# Allegro board ZDRK-36-DE3-A02-20190729.brd (continued)
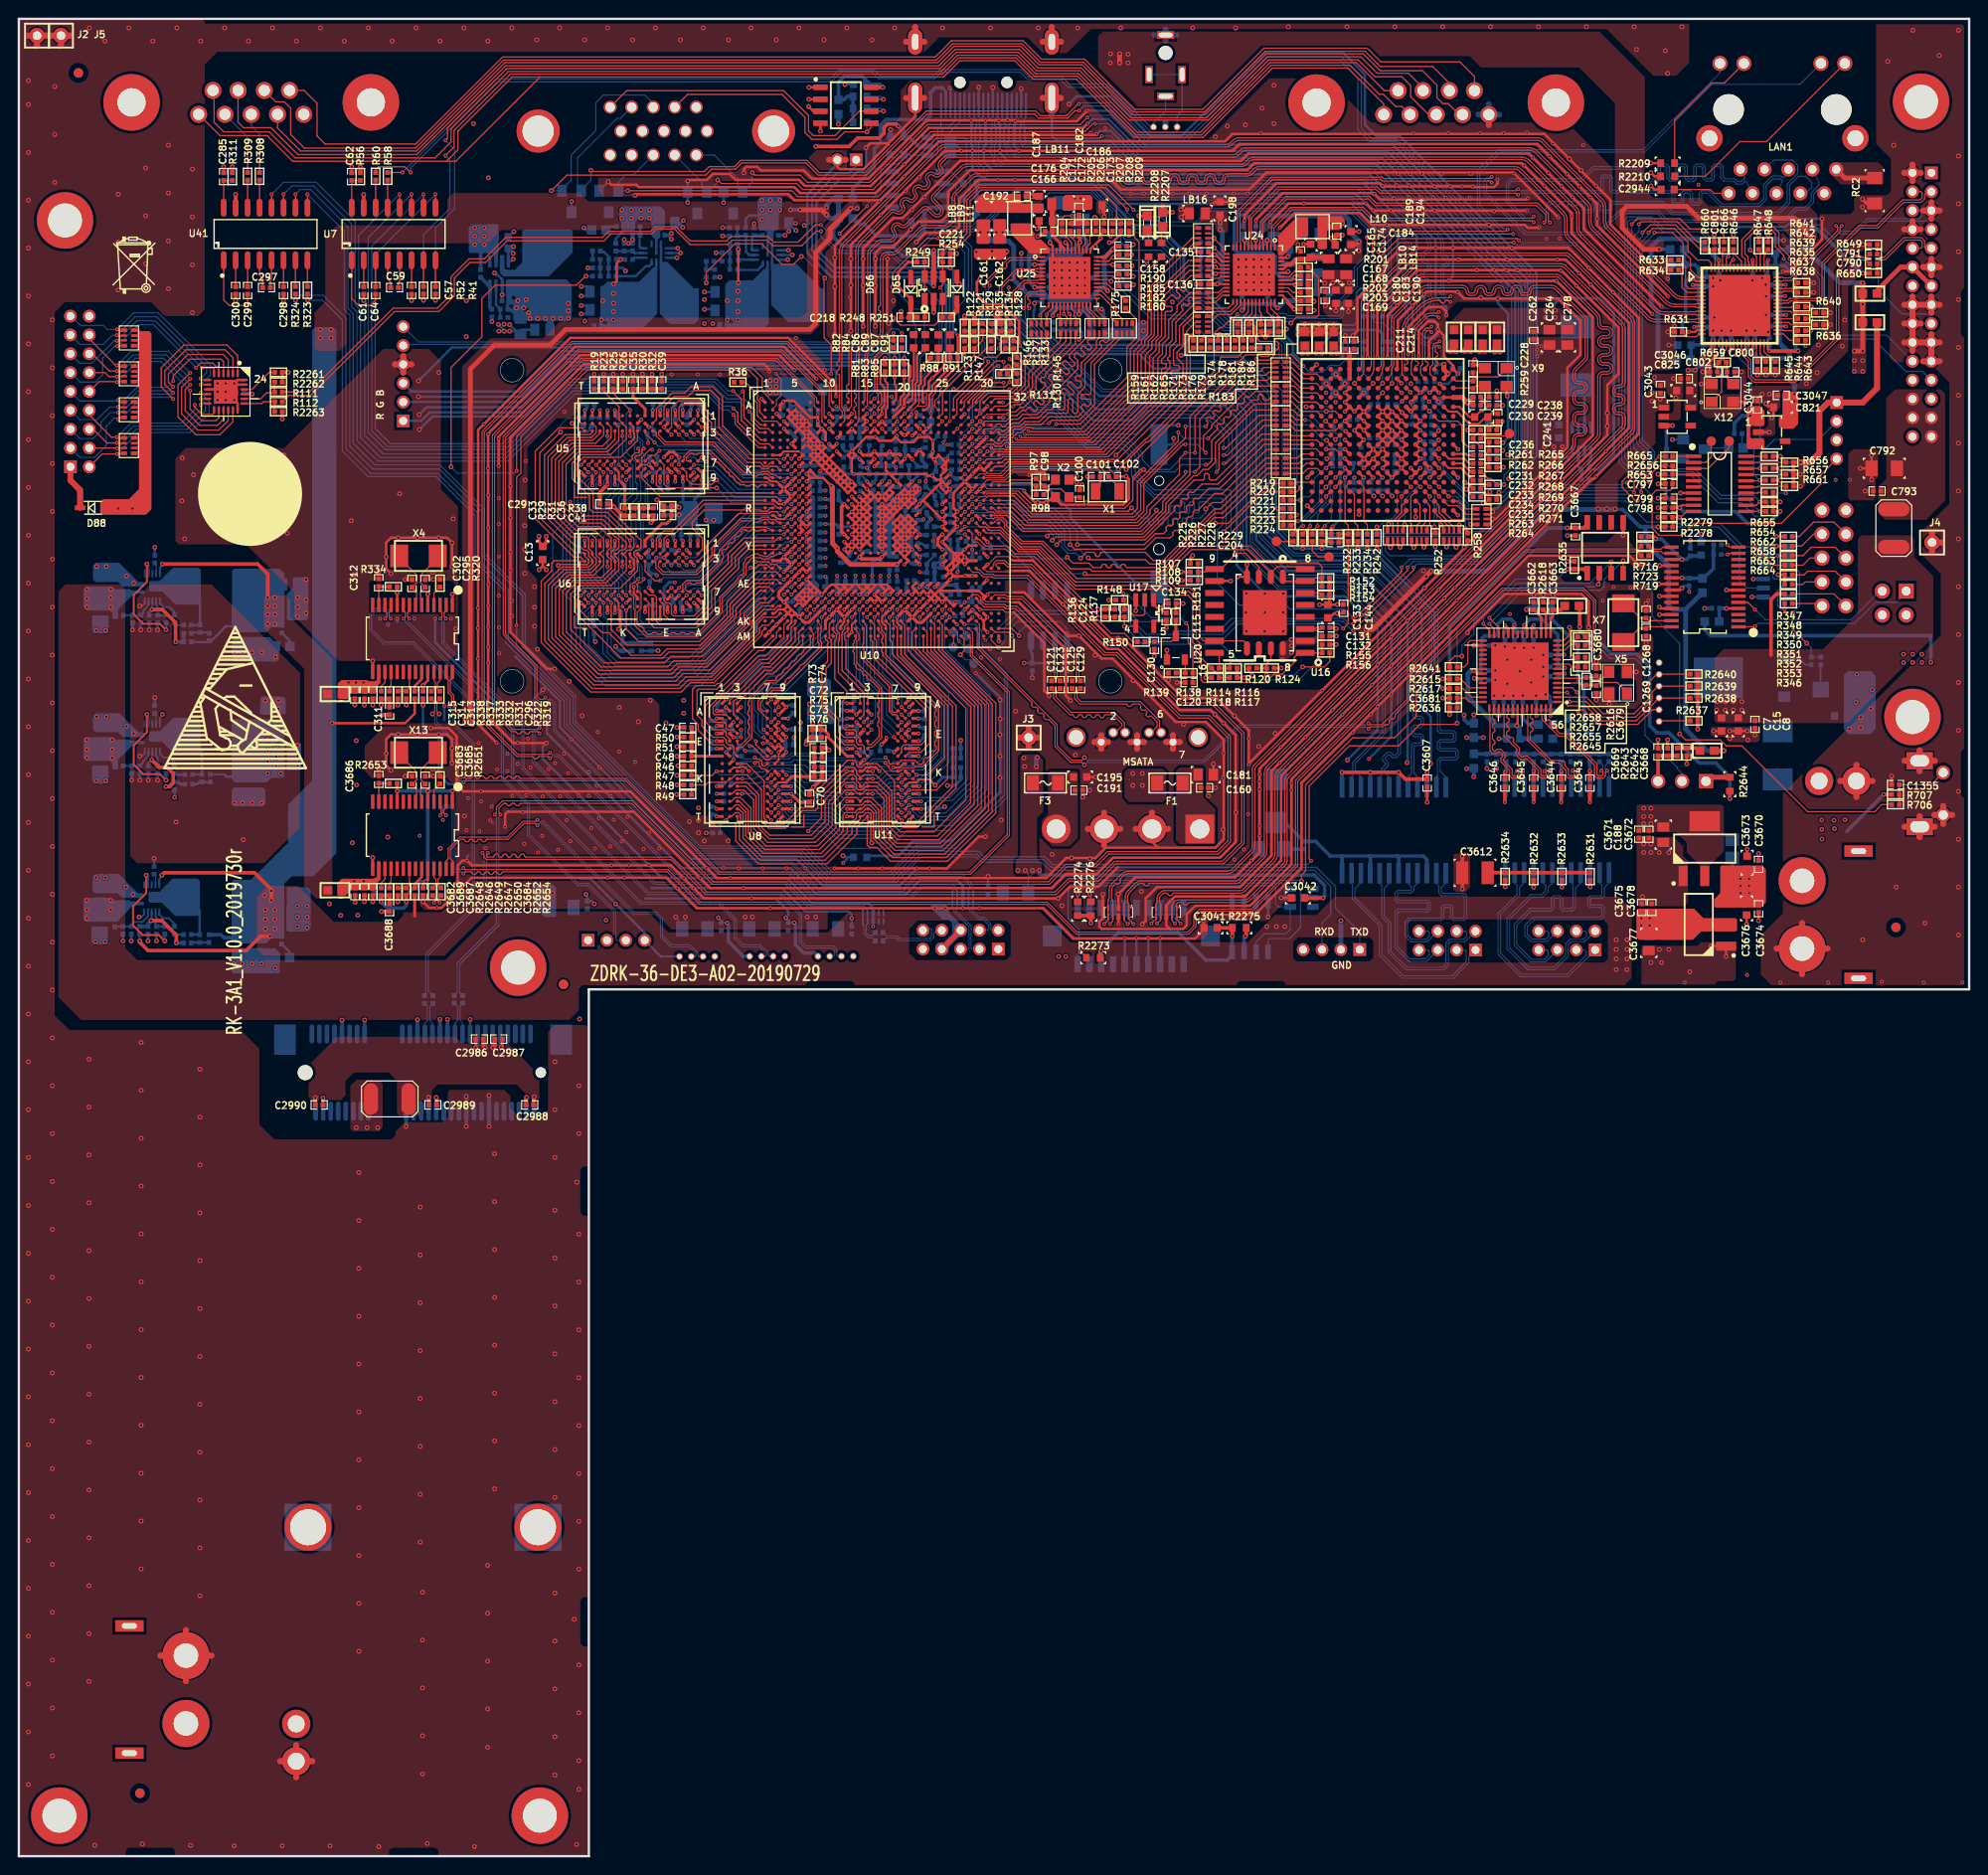
[diagram p0: board, top side]
## Routing (per net, layer and track width the routed paths; a pad name or vN(x,y) marks a point on that pad's centre or on a via; arc(x,y) is an arc through that point) (continued)
  BOTTOM w0.127: v1(141.63,130.78) 141.22,130.78 140.67,131.34 128.7,131.34 127.38,130.02 123.19,130.02 122.2,131.01 118.87,131.01 117.91,131.98 117.04,131.98 v2(115.7,133.32) ; U45.3 v1(184.28,138.97) 183.05,138.97 180.59,141.43 176.04,141.43 174.88,142.6 172.36,142.6 170.81,144.14 161.75,144.14 155.01,137.4 148.02,137.4 v1(147.4,136.78)
LED_SATA: length 8.3
  TOP w0.127: R346.2 v1(187.43,132.31)
  BOTTOM w0.127: 187.52,135.55 186.31,135.55 186.18,135.67 186.18,136.25 U45.1 ; 187.52,135.55 U46.4 ; 187.52,135.55 187.52,135.14 186.69,134.32 186.69,132.69 187.07,132.31 v1(187.43,132.31)
LSADC_IN: length 0.7
  TOP w0.305: U10.AJ28 v1(101.2,132.28)
  BOTTOM w0.102: v1(101.2,132.28) 101.27,132.21 TP8.1
LT9721_IRQO: length 18.3
  TOP w0.114: U66.23 182.04,160.08 182.25,159.87 v1(182.25,159.36)
  TOP w0.127: R662.2 v1(184.78,146.02) 184.73,145.97 U1492.16
  BOTTOM w0.127: v1(184.78,146.02) 184.15,146.66 184.15,149.2 184.81,149.86 184.81,154.13 183.9,155.04 183.9,157.71 v1(182.25,159.36)
LT9721_RST_N: length 59.8
  TOP w0.127: v1(187.55,144.65) R661.2 184.66,145.39 184.59,145.32 U1492.15 ; U66.63 180.04,170.43 C801.1 R660.2 178.46,170.51 175.84,173.13 173.15,173.13 v1(172.34,172.31)
  BOTTOM w0.127: v1(187.55,144.65) 186.72,144.65 185.67,143.61 185.67,142.47 185.42,142.21 184.28,142.21 182.85,143.64 180.39,143.64 177.47,146.56 175.03,146.56 174.32,147.27 173.63,147.27 173.1,147.8 173.1,148.59 171.7,149.99 171.7,171.3 172.34,171.93 v1(172.34,172.31)
LT9721_RXHPD: length 2
  TOP w0.127: R666.2 180.84,170.37 U66.61
LT9721_S_SCL: length 48.6
  TOP w0.127: v1(173.61,172.31) 175.51,172.31 176.66,171.17 176.66,170.28 177.42,169.52 177.42,168.38 178.23,167.57 U66.1 ; R663.2 v1(184.78,143.74) 184.41,143.37 U1492.12
  BOTTOM w0.127: v1(184.78,143.74) 184.1,144.42 180.7,144.42 177.88,147.24 175.41,147.24 174.68,147.98 173.94,147.98 173.61,148.31 173.61,149.05 172.31,150.34 172.31,170.89 173.61,172.19 v1(173.61,172.31)
LT9721_S_SDA: length 50.4
  TOP w0.127: U66.64 179.64,169.08 179.32,169.39 178.18,169.39 177.17,170.41 177.17,171.3 175.72,172.75 173.41,172.75 v1(172.97,172.31) ; R664.2 185.39,142.72 v1(184.78,142.72) U1492.11
  BOTTOM w0.127: v1(184.78,142.72) 183.43,144.07 180.54,144.07 177.67,146.94 175.16,146.94 174.5,147.6 173.69,147.6 173.35,147.93 173.35,148.82 172.03,150.14 172.03,171.12 172.97,172.06 v1(172.97,172.31)
LT9721_TXHPD: length 29.2
  TOP w0.127: U66.52 184.44,169.79 v2(183.77,170.46)
  BOTTOM w0.127: v2(183.77,170.46) 183.77,172.03 184.28,172.54 187.81,172.54 188.39,173.13 191.21,173.13 194.56,169.77 195.71,169.77 197.36,168.12 197.36,166.22 199.9,163.68 202.44,163.68 203,163.12 JE1.17
LT9721_VCC18_RX: length 15.3
  TOP w0.203: U66.17 179.64,159.67 v1(179.58,159.61) ; U66.3 v1(177.67,166.77) ; U66.14 177.89,162.37 v1(177.8,162.28)
  BOTTOM w0.305: C811.1 v1(177.8,162.28) ; C815.1 177.84,166.6 v1(177.67,166.77)
  BOTTOM w0.381: v1(179.58,159.61) 179.83,159.87 C814.1 179.78,160.4 C3045.1 ; C3045.1 177.51,160.4 C813.1 177.48,158.92 LB130.2 ; C3045.1 178.82,161.14 178.41,161.54 C811.1 C812.1 178.41,164.64 178.28,164.77 C815.1
LT9721_VCC18_TX: length 26.4
  TOP w0.203: U66.28 184.04,159.88 v1(183.83,159.68) ; v1(187.46,165.57) 187.45,165.57 U66.43 ; U66.46 v1(187.54,166.77) ; U66.38 v1(187.58,163.57) ; v1(187.58,162.37) U66.35
  BOTTOM w0.305: C820.1 187.44,165.56 v1(187.46,165.57) ; C819.1 187.53,166.78 v1(187.54,166.77) ; C817.1 183.39,160.12 v1(183.83,159.68) 184.28,160.12 C818.1
  BOTTOM w0.381: C816.1 187.56,162.38 v1(187.58,162.37) ; C822.1 187.57,163.58 v1(187.58,163.57)
  BOTTOM w0.508: v2(188.47,154.41) v2(188.47,155.17) 188.47,156.18 187.96,156.69 187.96,158.98 ; v1(183.83,159.68) 184.53,158.98 187.96,158.98 ; 187.96,158.98 187.96,159.49 186.89,160.55 C816.1 C822.1 C820.1 C819.1
LT9721_VCC33_RX: length 14.4
  TOP w0.203: U66.15 178.12,161.97 177.93,161.77 v1(177.29,161.77) ; U66.2 177.99,167.17 177.8,167.36 v1(177.67,167.36)
  BOTTOM w0.305: C804.1 177.93,167.61 v1(177.67,167.36)
  BOTTOM w0.381: C804.1 C806.1 177.9,168.88 C805.1 176.78,168.95 LB128.2 ; v1(177.67,167.36) 177.17,167.36 176.91,167.11 176.91,163.17 176.56,162.81 C803.1 v1(177.29,161.77)
LT9721_VCC33_TX: length 32.8
  TOP w0.203: v1(185.67,169.39) 185.64,169.35 U66.49 ; v1(185.8,159.74) 185.64,159.91 U66.32
  TOP w0.381: R650.2 v2(195.73,168) ; v2(188.85,159.74) v1(185.8,159.74)
  BOTTOM w0.305: C808.1 185.55,169.27 v1(185.67,169.39) ; C807.1 v1(185.8,159.74)
  BOTTOM w0.381: C810.1 C808.1 ; C810.1 C809.1 186.88,170.54 LB127.2 188.09,172.06 188.72,172.69 190.88,172.69 195.58,168 v2(195.73,168) ; C810.1 187.43,168.78 188.59,167.61 188.59,159.99 v2(188.85,159.74)
LT9721_VDD18: length 36.5
  TOP w0.203: U66.62 v1(180.44,169.36) ; U66.53 184.04,169.38 v1(184.02,169.39) ; v1(181.62,159.73) 181.64,159.74 U66.22
  BOTTOM w0.305: C824.1 C826.1 181.74,159.84 v1(181.62,159.73)
  BOTTOM w0.381: v1(180.44,169.36) 180.47,169.33 C827.1 C823.1 v1(184.02,169.39) ; C824.1 180.72,158.85 180.09,158.22 178.44,158.22 v2(177.93,157.71) 177.29,157.71
  BOTTOM w0.508: LB130.1 174.75,158.85 173.99,159.61 173.99,163.93 173.25,164.67 173.25,170.76 174.14,171.65 178.14,171.65 v1(180.44,169.36)
  vias: v2(177.17,157.71)
MCU_NRST: length 34.5
  TOP w0.127: U1492.4 177.72,146.66 R653.2 ; R653.2 R2656.2 ; R653.2 C797.1 175.54,145.21 175.29,144.96 173.79,144.96 173.35,144.53 173.35,140.94 174.12,140.18 176.53,140.18 177.8,141.45 187.07,141.45 191.26,145.64 191.26,146.6 J116.4
MCU_RXHPD: length 2.2
  TOP w0.127: U1492.1 175.54,148.57 R665.2
MDCK: length 24.2
  TOP w0.127: U25.30 115.77,167.31 v2(115.94,167.14) ; U24.30 130.89,163.73 130.02,162.86 130.02,161.42 v1(129.97,161.37) R176.1
  BOTTOM w0.114: v2(115.94,167.14) 115.94,167.37 116.36,167.79 116.87,167.79 117.2,167.46 117.2,166.73 120.37,163.55 123.77,163.55 126.7,160.63 129.24,160.63 v1(129.97,161.37)
MDIO: length 71.1
  TOP w0.127: R180.2 116.79,167.08 v2(116.61,167.26) 116.54,167.26 116.08,167.71 U25.31 ; v2(117.54,147.17) 128.97,158.6 129.49,158.6 130.23,159.33 131.67,159.33 131.85,159.16 132.61,159.16 133.32,159.87 v1(133.32,159.89) 133.58,159.89 133.7,160.02 133.7,160.58 133.53,160.76 131.7,160.76 131.44,161.01 131.44,161.26 131.19,161.52 131.19,162.41 131.01,162.59 R178.2 130.58,162.81 131.29,163.52 U24.31 ; v1(100.41,147.49) U10.K27
  BOTTOM w0.114: v2(116.61,167.26) 116.61,166.7 120.17,163.14 123.62,163.14 126.67,160.1 133.12,160.1 v1(133.32,159.89)
  BOTTOM w0.127: v1(100.41,147.49) 100.46,147.49 100.86,147.09 102.54,147.09 102.87,147.42 116.2,147.42 116.59,147.8 116.9,147.8 v2(117.54,147.17)
MSATA_RXDN: length 3.5
  BOTTOM w0.114: U13.31 46.3,88.43 46.57,88.69 46.57,90.19 C106.1
MSATA_RXDP: length 3.5
  BOTTOM w0.114: C105.1 46.83,90.24 46.83,88.69 47.1,88.43 U13.33
MSATA_TXDN: length 3.5
  BOTTOM w0.114: C103.1 43.63,90.19 43.63,88.69 43.9,88.43 U13.25
MSATA_TXDP: length 3.5
  BOTTOM w0.114: C104.1 43.37,90.19 43.37,88.69 43.1,88.43 U13.23
MX1+: length 22.8
  BOTTOM w0.114: J131.1 153.9,95.45 153.9,94.82 152.26,93.18 146.83,93.18 144.4,95.61 144.4,98.76 141.54,101.62 141.54,103.15 141.45,103.24 T3.23
MX1-: length 22.7
  BOTTOM w0.114: J131.3 153.48,96.17 153.63,96.01 153.63,94.93 152.15,93.45 146.94,93.45 144.67,95.72 144.67,98.87 141.81,101.73 141.81,102.67 142.45,103.31 T3.22
MX2+: length 21.9
  BOTTOM w0.114: T3.20 144.45,103.24 144.67,103.03 144.67,99.64 145.36,98.94 145.36,95.92 147.21,94.07 151.24,94.07 151.75,94.57 151.75,96.86 151.93,97.05 153.49,97.05 J131.2
MX2-: length 21.8
  BOTTOM w0.114: J131.4 153.55,98.17 153.67,98.04 153.67,97.6 153.38,97.31 151.82,97.31 151.48,96.97 151.48,94.68 151.13,94.34 147.32,94.34 145.63,96.03 145.63,99.05 144.93,99.75 144.93,102.73 145.45,103.24 T3.19
MX3+: length 21.7
  BOTTOM w0.114: J131.5 149.42,94.97 147.52,94.97 146.08,96.41 146.08,100.23 146.35,100.5 149.43,100.5 149.54,100.62 149.54,101.07 149.43,101.19 146.35,101.19 146.08,101.46 146.08,102.22 146.35,102.49 147.68,102.49 147.79,102.6 147.79,102.91 147.45,103.25 T3.17
MX3-: length 21.6
  BOTTOM w0.114: T3.16 148.45,103.26 148.06,102.87 148.06,102.49 147.79,102.22 146.46,102.22 146.34,102.11 146.34,101.57 146.46,101.45 149.54,101.45 149.81,101.18 149.81,100.51 149.54,100.23 146.46,100.23 146.34,100.12 146.34,96.52 147.63,95.24 149.31,95.24 149.71,95.64 149.71,96.05 149.59,96.17 J131.7
MX4+: length 21.7
  BOTTOM w0.114: J131.6 149.49,97.04 147.72,97.04 147.15,97.61 147.15,99.2 147.53,99.57 150.88,99.57 151,99.68 151,100.69 151.27,100.97 151.94,100.97 152.22,100.69 152.22,99.68 152.33,99.57 153.29,99.57 153.4,99.68 153.4,101.8 153.29,101.92 151.01,101.92 150.74,102.19 150.74,102.96 150.45,103.24 T3.14
MX4-: length 21.7
  BOTTOM w0.114: T3.13 151.45,103.24 151,102.8 151,102.3 151.12,102.18 153.4,102.18 153.67,101.91 153.67,99.57 153.4,99.3 152.22,99.3 151.95,99.57 151.95,100.58 151.83,100.7 151.38,100.7 151.26,100.58 151.26,99.57 150.99,99.3 147.64,99.3 147.42,99.09 147.42,97.72 147.83,97.31 149.38,97.31 149.69,97.62 149.69,98.05 149.58,98.17 J131.8
NRESET/PME_CLEAR: length 3.9
  TOP w0.127: R2636.1 C3681.2 153.54,122.91 153.95,122.51 U1.42
NTRST: length 3.3
  TOP w0.127: J6.1 174.17,120.5 R2637.1
PCIE_REFCLK_SEL: length 12.9
  TOP w0.127: U10.D24 v1(98.01,152.29) ; R122.1 R121.2 100.86,161.29 100.86,160.48 R123.1 v1(100.38,159.26)
  BOTTOM w0.127: v1(98.01,152.29) 97.99,152.29 97.66,152.62 97.66,155.07 100.38,157.78 v1(100.38,159.26)
POR_BYPASS: length 2.2
  TOP w0.127: U10.W28 v1(100.41,140.29)
  BOTTOM w0.127: R382.2 100.53,140.17 v1(100.41,140.29) 99.87,140.29 R383.1
POR_IP_SEL: length 6.4
  TOP w0.127: U10.U27 v1(100.41,141.89)
  BOTTOM w0.102: R113.2 102.01,138.46 R110.2 102.34,139.37 101.02,140.69 100.28,140.69 100.03,140.94 100.03,141.5 v1(100.41,141.89)
PWM_SVB0_CPU: length 75.6
  TOP w0.102: U10.A2 80.01,154.35 79.5,154.86 79.5,154.89 79.43,154.97
  TOP w0.127: v2(60.2,167.68) 60.14,167.68 59.18,166.73 50.55,166.73 49.15,165.33 49.15,161.26 45.87,157.99 v2(45.87,147.45) ; v1(52.83,147.02) 52.83,150.67 60.17,158.01 77.8,158.01 78.92,156.9 78.92,155.47 79.43,154.97
  BOTTOM w0.127: v2(45.87,147.45) 46.53,146.79 52.6,146.79 v1(52.83,147.02) ; R55.2 v2(60.2,167.68)
PWM_SVB1_CORE: length 38.6
  TOP w0.102: U10.B2 80.01,153.6 80.42,154 80.42,154.53 80.85,154.97
  TOP w0.127: 80.85,154.97 80.9,155.02 80.9,156.77 v1(80.34,157.33) ; v2(83.06,169.77) 82.22,168.94 81.03,168.94 78.84,171.12 76,171.12 72.96,168.08 v2(72.96,166.98) ; v2(85.55,167.49) 85.47,167.41 85.47,161.14 86.23,160.38 v1(86.23,157.33)
  BOTTOM w0.114: R78.2 v2(72.96,166.98)
  BOTTOM w0.127: v1(86.23,157.33) 86.21,157.3 80.37,157.3 v1(80.34,157.33) ; v2(85.55,167.49) 83.26,169.77 v2(83.06,169.77)
RECOVERY: length 7.3
  TOP w0.127: R706.1 R707.2 C1355.1 202.96,113.72 SW1.2
RESET_7842_1: length 7.7
  TOP w0.127: U32.N5 141.25,145.78 140.77,145.29 140.77,141.58 141.1,141.25 R232.2 141.07,140.31 R229.2 C204.1
RGMII0_COL: length 0.6
  TOP w0.127: U10.H29 v1(102.01,149.09)
RGMII0_RXCK: length 38.8
  TOP w0.127: U10.G30 102.76,149.83 103.45,149.83 103.66,149.63 104.32,149.63 104.67,149.99 104.98,149.99 105.18,149.78 114.25,149.78 120.4,155.93 120.4,158.98 121.03,159.61 121.03,160.66 121.67,161.29 121.67,163.83 121.79,163.96 122.3,163.96 122.43,164.09 122.43,164.34 122.3,164.47 121.79,164.47 121.67,164.59 121.67,165.02 122.32,165.68 122.5,165.68 122.87,165.32 123.05,165.32 123.23,165.49 123.23,165.67 122.86,166.04 122.86,166.22 123.04,166.4 123.22,166.4 123.53,166.1 123.71,166.1 123.88,166.28 123.88,166.46 123.58,166.76 123.58,166.94 124.37,167.72 RN22.4
RGMII0_RXD0: length 39.6
  TOP w0.127: RN21.4 124.7,171.15 120.19,166.65 120.19,161.5 119.51,160.82 119.51,160.35 118.75,159.59 118.75,156.31 113.31,150.88 106.81,150.88 v3(106.78,150.9) ; U10.G27 v1(100.41,149.89)
  BOTTOM w0.102: 101.78,150.26 100.78,150.26 v1(100.41,149.89)
  BOTTOM w0.127: 101.78,150.26 101.83,150.21 103.37,150.21 104.27,151.1 106.58,151.1 106.78,150.91 v3(106.78,150.9)
RGMII0_RXD1: length 37.6
  TOP w0.127: U10.G28 v1(101.21,149.89) ; RN22.1 124.18,169.37 120.52,165.71 120.52,161.44 119.89,160.8 119.89,160.2 119.13,159.44 119.13,156.18 113.49,150.55 106.43,150.55 v3(106.3,150.67)
  BOTTOM w0.127: v1(101.21,149.89) 101.28,149.96 103.63,149.96 104.5,150.83 106.15,150.83 v3(106.3,150.67)
RGMII0_RXD2: length 38.5
  TOP w0.127: v3(105.87,150.42) 105.87,150.41 105.99,150.29 113.74,150.29 119.57,156.12 119.57,159.3 120.27,159.99 120.27,160.76 120.9,161.39 120.9,165.58 124.12,168.8 RN22.2 ; U10.H27 v1(100.41,149.09)
  BOTTOM w0.127: v1(100.41,149.09) 100.85,149.53 101.55,149.53 101.6,149.58 103.76,149.58 104.7,150.52 105.77,150.52 v3(105.87,150.42)
RGMII0_RXD3: length 38
  TOP w0.127: v3(105.36,150.16) 105.49,150.04 114,150.04 120.02,156.06 120.02,159.18 120.7,159.87 120.7,160.79 121.28,161.38 121.28,165.33 124.25,168.3 RN22.3 ; U10.H28 v1(101.21,149.09)
  BOTTOM w0.127: v1(101.21,149.09) 101.69,148.62 102.51,148.62 102.62,148.51 103.63,148.51 104.11,149 104.11,149.43 104.85,150.16 v3(105.36,150.16)
RGMII0_RXDV: length 37.9
  TOP w0.127: RN21.3 124.53,171.73 119.82,167.02 119.82,161.59 119.15,160.92 119.15,160.5 118.36,159.72 118.36,156.44 113.11,151.18 107.21,151.18 v3(107.16,151.23) ; v1(101.98,150.57) 101.89,150.57 U10.F29
  BOTTOM w0.127: v3(107.16,151.23) 107.04,151.36 104.01,151.36 103.63,150.98 102.61,150.98 102.2,150.57 v1(101.98,150.57)
RGMII0_RXER: length 1.1
  TOP w0.127: U10.H30 v1(102.81,149.09)
  BOTTOM w0.102: v1(102.81,149.09) 102.82,149.1 TP5.1
RGMII0_TXCKOUT: length 35.3
  TOP w0.127: v1(101.98,148.23) 101.96,148.23 U10.J29 ; RN13.1 124.31,165.94 122.94,164.57 122.94,163.93 122.05,163.04 122.05,161.14 121.39,160.48 121.39,159.46 120.9,158.98 120.9,155.8 114.63,149.53 104.93,149.53 v3(104.83,149.63)
  BOTTOM w0.127: v1(101.98,148.23) 103.81,148.23 104.83,149.25 v3(104.83,149.63)
RGMII0_TXD0: length 34.2
  TOP w0.127: U10.G31 103.37,149.34 104.53,149.34 104.6,149.28 114.88,149.28 121.28,155.68 121.28,157.78 121.41,157.91 121.67,157.91 121.79,158.03 121.79,158.29 121.67,158.41 121.41,158.41 121.28,158.54 121.28,158.85 121.79,159.36 121.79,160.25 122.43,160.88 122.43,162.92 123.54,164.03 123.54,164.21 123.41,164.35 123.41,164.53 123.59,164.71 123.76,164.71 123.9,164.57 124.08,164.57 124.26,164.75 124.26,164.93 124.12,165.07 124.12,165.25 124.3,165.43 124.48,165.43 124.62,165.29 124.8,165.29 124.88,165.37 RN13.2
RGMII0_TXD1: length 34
  TOP w0.127: RN13.3 124.89,164.87 122.81,162.79 122.81,160.76 122.17,160.12 122.17,159.23 121.95,159.01 121.95,158.83 122.17,158.6 122.17,157.96 121.67,157.45 121.67,156.95 121.79,156.82 122.43,156.82 122.56,156.7 122.56,156.44 122.43,156.32 121.79,156.32 121.67,156.19 121.67,155.55 115.14,149.02 104.47,149.02 104.42,149.07 103.58,149.07 103.21,148.7 U10.H31
RGMII0_TXD2: length 33.3
  TOP w0.127: RN13.4 125.08,164.29 123.19,162.41 123.19,160.5 122.56,159.87 122.56,158.34 122.68,158.22 123.06,158.22 123.19,158.09 123.19,157.79 123.06,157.66 122.43,157.66 122.3,157.53 122.3,157.28 122.43,157.15 123.06,157.15 123.19,157.03 123.19,156.57 115.39,148.77 104.09,148.77 U10.H32
RGMII0_TXD3: length 33.1
  TOP w0.127: RN14.1 124.72,163.43 123.57,162.28 123.57,160.25 122.92,159.6 122.92,158.99 123.57,158.34 123.57,156.44 115.65,148.51 104.44,148.51 104.22,148.29 102.79,148.29 102.41,147.9 U10.J30
RGMII0_TXEN: length 34.2
  TOP w0.127: U10.K28 v1(101.21,147.49) ; v2(116.46,148.69) 123.95,156.18 123.95,161.86 124.94,162.85 RN14.2
  BOTTOM w0.127: v1(101.21,147.49) 101.58,147.86 115.62,147.86 v2(116.46,148.69)
RGMII1_COL: length 0.6
  TOP w0.127: U10.D29 v1(102.01,152.29)
RGMII1_CRS: length 0.4
  TOP w0.102: U10.C32 v3(104.46,152.69)
RGMII1_RXCK: length 13.8
  TOP w0.127: RN20.4 112.21,161.33 112.14,161.26 112.14,160.5 108.97,157.33 108.97,157.07 108.84,156.94 108.59,156.94 108.46,156.81 108.46,156.56 108.59,156.43 108.84,156.43 108.97,156.31 108.97,156.06 106.65,153.75 106.27,153.75 105.79,153.26 105.28,153.26 105.05,153.49 U10.B32
RGMII1_RXD0: length 12.5
  TOP w0.127: U10.A30 103.06,154.94 105.56,154.94 106.81,156.18 106.81,158.47 108.44,160.11 108.62,160.11 108.89,159.84 109.07,159.84 109.25,160.02 109.25,160.2 108.98,160.47 108.98,160.65 109.1,160.77 RN79.4
RGMII1_RXD1: length 13.2
  TOP w0.127: RN20.1 110.56,160.83 108.97,159.23 108.79,159.23 108.59,159.44 108.41,159.44 108.23,159.26 108.23,159.08 108.43,158.88 108.43,158.7 108.25,158.52 108.07,158.52 107.87,158.72 107.69,158.72 107.51,158.54 107.51,158.36 107.71,158.16 107.71,157.98 107.19,157.45 107.19,156.06 105.82,154.69 103.61,154.69 U10.A31
RGMII1_RXD2: length 12.6
  TOP w0.127: U10.B31 103.62,153.9 104.78,153.9 105.21,154.33 106.1,154.33 107.57,155.8 107.57,157.2 111.14,160.77 RN20.2
RGMII1_RXD3: length 14.5
  TOP w0.102: U10.C30 102.76,153.03 v3(104.98,153.03)
  TOP w0.127: v3(105.51,153.85) 105.71,154.05 106.32,154.05 107.95,155.68 107.95,156.95 111.64,160.63 RN20.3
  BOTTOM w0.127: v3(104.98,153.03) 104.98,153.52 105.31,153.85 v3(105.51,153.85)
RGMII1_RXDV: length 12.6
  TOP w0.127: U10.B29 101.89,153.49 102.01,153.61 102.01,154.41 102.88,155.28 105.44,155.28 106.43,156.27 106.43,158.6 108.53,160.7 RN79.3
RGMII1_RXER: length 0.8
  TOP w0.127: U10.C29 v1(102.01,153.09)
  BOTTOM w0.102: v1(102.01,153.09) 102.11,153.19 TP2.1
RGMII1_TXCKOUT: length 25.5
  TOP w0.127: U10.D30 102.41,152.17 102.54,152.3 104.77,152.3 105.36,152.88 105.92,152.88 106.45,153.42 106.83,153.42 107.17,153.75 107.35,153.75 107.74,153.36 107.92,153.36 108.1,153.54 108.1,153.72 107.71,154.11 107.71,154.29 107.89,154.47 108.07,154.47 108.46,154.08 108.64,154.08 108.82,154.26 108.82,154.44 108.43,154.83 108.43,155.01 109.7,156.29 109.7,156.47 109.31,156.86 109.31,157.04 109.52,157.25 109.7,157.25 110.41,156.54 110.59,156.54 110.77,156.72 110.77,156.9 110.06,157.61 110.06,157.79 110.24,157.97 110.42,157.97 111.13,157.26 111.31,157.26 111.49,157.44 111.49,157.62 110.78,158.33 110.78,158.5 110.96,158.68 111.14,158.68 111.72,158.1 111.9,158.1 112.08,158.28 112.08,158.46 111.5,159.04 111.5,159.34 113.61,161.45 RN17.1
RGMII1_TXD0: length 24.6
  TOP w0.127: U10.E30 102.41,151.33 102.54,151.46 103.35,151.46 103.89,151.99 104.14,151.99 104.39,151.74 104.65,151.74 105.41,152.5 106.05,152.5 106.55,153.01 108.08,153.01 109.42,154.35 109.42,154.53 109.03,154.92 109.03,155.1 109.21,155.28 109.39,155.28 110.25,154.42 110.43,154.42 110.61,154.6 110.61,154.78 109.75,155.64 109.75,155.82 109.93,156 110.11,156 110.24,155.87 110.42,155.87 112.4,157.84 112.4,158.72 112.04,159.08 112.04,159.39 112.2,159.54 112.38,159.54 112.77,159.15 112.95,159.15 113.13,159.33 113.13,159.51 112.74,159.9 112.74,160.08 112.92,160.26 113.1,160.26 113.49,159.87 113.67,159.87 113.85,160.05 113.85,160.23 113.46,160.62 113.46,160.8 113.66,161.01 114.05,161.01 114.19,161.15 RN17.2
RGMII1_TXD1: length 24.1
  TOP w0.127: RN17.3 114.68,161.14 114.36,160.82 114.36,160.06 112.78,158.47 112.78,157.22 112.65,157.1 112.27,157.1 112.14,156.97 112.14,156.71 112.27,156.59 112.65,156.59 112.78,156.46 112.78,156.06 112.53,155.82 112.35,155.82 111.71,156.46 111.53,156.46 111.35,156.28 111.35,156.1 111.99,155.46 111.99,155.28 111.81,155.1 111.64,155.1 110.99,155.74 110.81,155.74 110.63,155.56 110.63,155.38 111,155.01 111,153.64 110.87,153.52 110.42,153.52 110.29,153.64 110.29,153.9 110.16,154.03 109.91,154.03 109.78,153.9 109.78,153.64 109.66,153.52 109.09,153.52 108.2,152.63 106.68,152.63 106.17,152.12 105.51,152.12 104.62,151.23 104.37,151.23 104.14,151.46 103.86,151.46 103.44,151.04 103.26,151.04 U10.E31
RGMII1_TXD2: length 23.5
  TOP w0.127: RN17.4 115.79,161.63 115.92,161.51 115.92,161.1 115.46,160.65 115.28,160.65 115.08,160.85 114.9,160.85 114.72,160.67 114.72,160.49 114.93,160.29 114.93,160.11 113.16,158.34 113.16,155.93 112.4,155.17 112.4,153.26 112.27,153.14 111.99,153.14 111.87,153.26 111.87,154.53 111.74,154.66 111.49,154.66 111.36,154.53 111.36,153.26 111.23,153.14 109.22,153.14 108.33,152.25 106.78,152.25 106.32,151.79 105.59,151.79 104.65,150.85 104.13,150.85 104.01,150.96 U10.E32
RGMII1_TXD3: length 22.8
  TOP w0.127: RN18.1 116.53,161.21 113.79,158.47 113.79,155.28 113.66,155.15 112.9,155.15 112.78,155.02 112.78,154.77 112.9,154.64 113.66,154.64 113.79,154.51 113.79,154.15 113.51,153.87 113.33,153.87 113.13,154.07 112.95,154.07 112.77,153.89 112.77,153.71 112.97,153.51 112.97,153.33 112.4,152.76 109.35,152.76 108.51,151.92 106.86,151.92 106.43,151.49 105.66,151.49 105.54,151.36 105.54,151.03 105.36,150.85 105.03,150.85 104.78,150.6 104.14,150.6 104.01,150.47 U10.F32
RGMII1_TXEN: length 23.6
  TOP w0.127: v1(109.35,152.1) 109.64,152.39 112.53,152.39 114.17,154.03 114.17,158.34 117.11,161.28 RN18.2 ; U10.E28 v1(101.21,151.49)
  BOTTOM w0.127: v1(101.21,151.49) 101.47,151.49 101.75,151.21 102.16,151.21 102.44,151.49 103.12,151.49 103.63,151.99 109.22,151.99 109.32,152.1 v1(109.35,152.1)
RS232_RXA: length 92.7
  TOP w0.127: R58.2 v1(40.72,178.69)
  BOTTOM w0.127: v1(40.72,178.69) 50.65,188.62 86.08,188.62 87.07,189.61 90.75,189.61 91.41,188.95 97.08,188.95 97.71,189.59 106.43,189.59 107.19,188.82 110.74,188.82 111.5,188.07 115.56,188.07 120.12,183.51 J123.3 120.44,183.94 121.72,185.22 J111.2
RS232_RXB: length 137.3
  TOP w0.127: J22.3 149.63,184.84 147.73,186.74 147.73,187.91 146.79,188.85 143.94,188.85 142.14,190.65 132.68,190.65 126.28,184.25 117.84,184.25 112.61,189.48 108.04,189.48 106.08,191.44 99.5,191.44 97.78,189.71 51.79,189.71 45.49,183.41 45.49,182.3 v1(45.29,182.09) ; R41.2 v2(44.22,165.13)
  BOTTOM w0.127: v2(44.22,165.13) 44.22,172.82 46.25,174.85 46.25,181.13 v1(45.29,182.09)
RS232_RXC: length 6.5
  TOP w0.127: R308.2 v1(25.55,181.61)
  BOTTOM w0.127: v1(25.55,181.61) 25.55,182.75 24.66,183.64 J23.3
RS232_RXD: length 160.1
  TOP w0.127: R323.2 v2(30.63,165.13)
  BOTTOM w0.127: JU5.3 138.32,99.05 139.24,99.97 139.24,102.92 137.54,104.62 109.45,104.62 108.59,105.49 102.16,105.49 101.6,106.05 95.78,106.05 93.07,103.33 85.62,103.33 82.78,106.17 71.65,106.17 57.86,119.96 57.86,122.63 51.69,128.8 51.69,134.16 48.44,137.41 48.44,142.27 44.27,146.43 37.03,146.43 34.34,149.12 34.34,163.02 32.23,165.13 v2(30.63,165.13)
RS232_TXA: length 103.5
  TOP w0.127: v1(41.58,178.69) 40.97,179.3 38.18,179.3 37.87,178.99 R60.2
  BOTTOM w0.127: J111.3 J111.1 123.47,185.24 122.94,184.71 J123.1 122.94,183.11 122.73,182.91 120.24,182.91 115.42,187.73 111.38,187.73 110.54,188.57 107.06,188.57 106.3,189.33 97.89,189.33 97.21,188.65 91.26,188.65 90.55,189.36 87.25,189.36 86.21,188.32 50.75,188.32 41.58,179.15 v1(41.58,178.69)
RS232_TXB: length 133.7
  TOP w0.127: R52.2 v2(42.95,165.13) ; v1(45.28,180.48) 46.19,181.39 46.19,183.15 52.17,189.13 98.02,189.13 99.75,190.86 105.84,190.86 107.8,188.9 112.37,188.9 118.59,182.68 125.53,182.68 132.92,190.07 141.33,190.07 144.4,186.99 144.83,186.99 146.13,185.7 146.79,185.7 J22.2
  BOTTOM w0.127: v1(45.28,180.48) 45.75,180.01 45.75,174.88 42.95,172.08 v2(42.95,165.13)
RS232_TXC: length 7.2
  TOP w0.127: R309.2 24.28,181.56 v1(24.23,181.61)
  BOTTOM w0.127: J23.2 24.23,182.5 v1(24.23,181.61)
RS232_TXD: length 163
  TOP w0.127: R324.2 v2(29.36,165.13)
  BOTTOM w0.127: JU5.1 142.32,98.06 139.75,100.63 139.75,102.92 137.72,104.95 109.6,104.95 108.79,105.77 102.27,105.77 101.72,106.32 95.67,106.32 92.95,103.61 85.72,103.61 82.91,106.43 71.79,106.43 58.14,120.08 58.14,122.75 51.94,128.94 51.94,134.39 48.72,137.62 48.72,142.49 44.45,146.76 37.34,146.76 34.72,149.38 34.72,163.25 32.31,165.66 29.9,165.66 v2(29.36,165.13)
RTC_XIN: length 17.3
  TOP w0.102: U10.L29 101.61,146.32 102.01,146.71 102.49,146.71 102.69,146.51 104.37,146.51 105.33,147.47
  TOP w0.127: 105.33,147.47 114.73,147.47 115.37,146.84 115.37,146.71 C102.2 116.78,145.3 X1.1
RTC_XOUT: length 15.2
  TOP w0.102: 105.54,147.22 104.6,146.28 102.43,146.28 U10.L30
  TOP w0.127: 105.54,147.22 114.55,147.22 114.78,146.99 C101.2 114.78,145.36 X1.2
SATA_PCIE_MODE0: length 5.2
  TOP w0.203: U10.E29 102.01,151.49 v1(102.01,151.59)
  BOTTOM w0.102: R389.2 R388.1 99.82,150.65 101.07,151.89 101.55,151.89 101.85,151.59 v1(102.01,151.59)
SATA_PCIE_MODE1: length 37.3
  TOP w0.127: R207.2 R208.1 R209.2 118.31,173.28 118.44,173.15 118.44,171.78 118.9,171.32 118.9,160.88 117.98,159.97 117.98,156.69 112.78,151.49 107.62,151.49 107.49,151.61 106.93,151.61 106.38,151.05 105.97,151.05 105.46,150.55 105.16,150.55 104.88,150.27 104.55,150.27 104.22,149.94 103.73,149.94 103.38,150.29 U10.F31
SATA_RXM0: length 13.8
  TOP w0.112: U10.AG32 104.07,133.55 104.67,133.55 104.8,133.43 106.43,133.43 112.26,127.6 112.26,125.21 C125.2
SATA_RXM2: length 149.5
  TOP w0.114: v1(49.8,106.48) 49.63,106.31 49.63,106.15 49.75,106.03 50.35,106.03 50.46,106.15 50.46,106.26 50.58,106.38 50.81,106.38 50.92,106.26 50.92,106.15 51.04,106.03 51.27,106.03 51.38,106.15 51.38,106.24 51.49,106.35 51.72,106.35 51.84,106.24 51.84,106.15 51.95,106.03 52.18,106.03 52.29,106.15 52.29,106.24 52.41,106.35 52.64,106.35 52.75,106.24 52.75,106.15 52.87,106.03 53.09,106.03 53.21,106.15 53.21,106.24 53.32,106.35 53.55,106.35 53.67,106.24 53.67,106.15 53.78,106.03 69.33,106.03 73.03,102.32 109.97,102.32 111.4,103.75 114.47,103.75 116.31,105.59 127.77,105.59 129.78,107.6 129.78,119.11 126.75,122.15 123.32,122.15 116.98,128.48 115.74,128.48 107.39,136.83 104.95,136.83 104.55,137.23 103.86,137.23 103.75,137.12 103.75,136.96 U10.AC32
  BOTTOM w0.114: C103.2 43.46,91.8 43.46,95.64 49.63,101.81 49.63,106.31 v1(49.8,106.48)
